# KiCad board STM32MP25XXAJ_DDR4.kicad_pcb
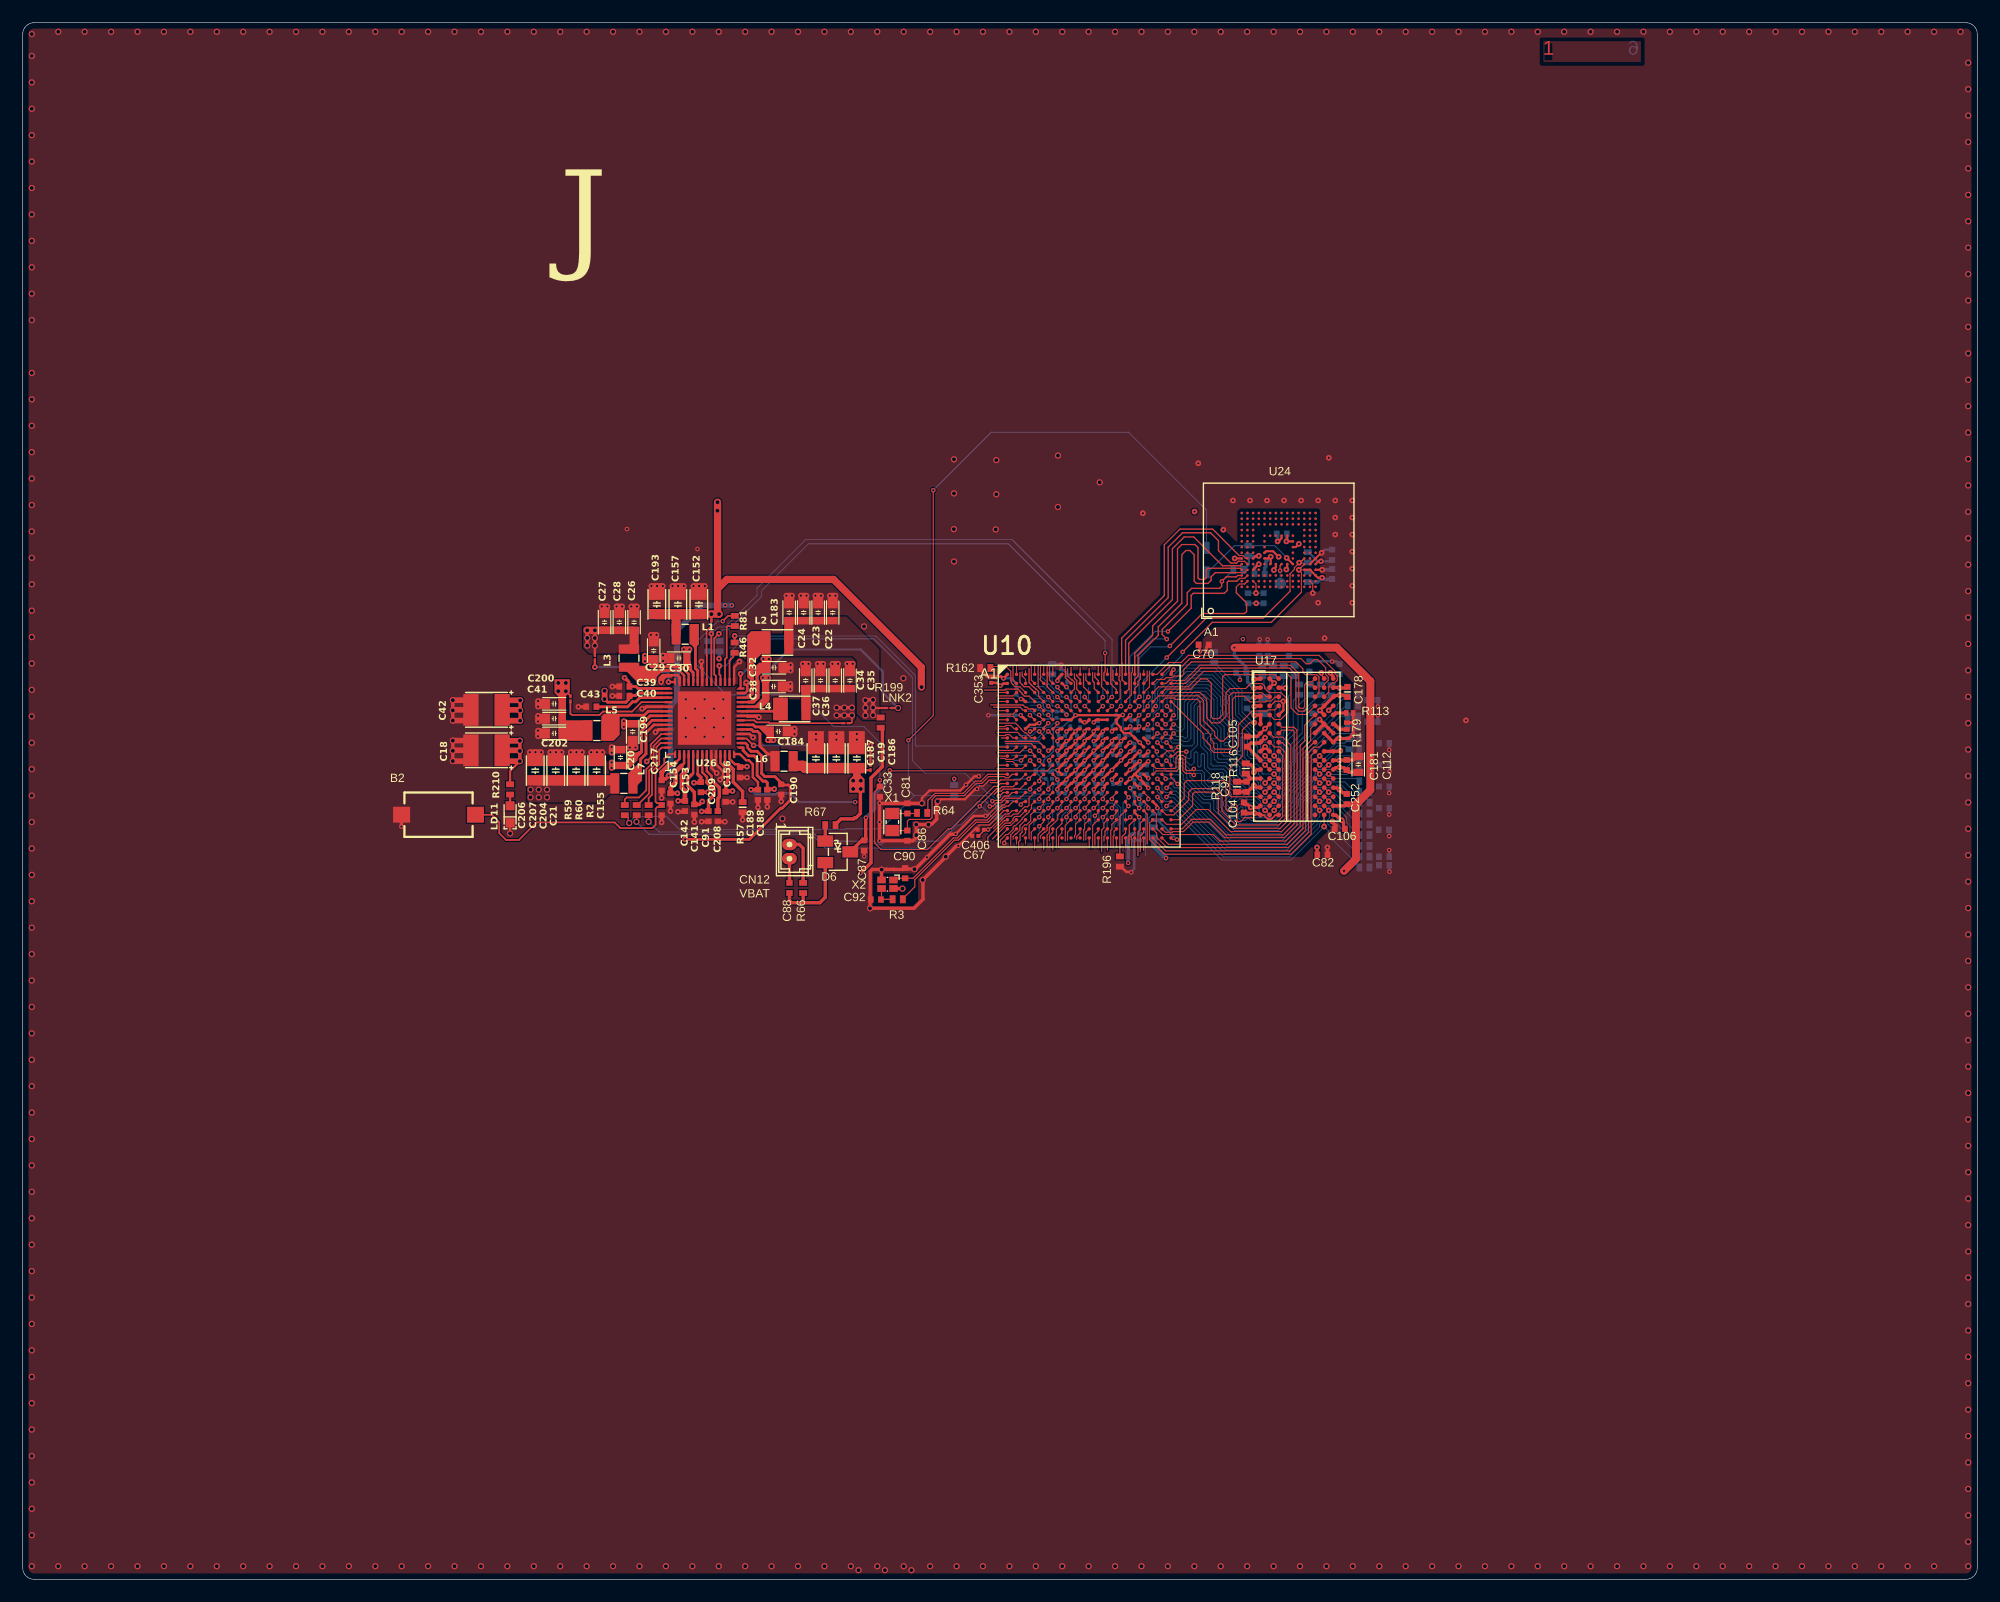
[diagram p0: board, top side]
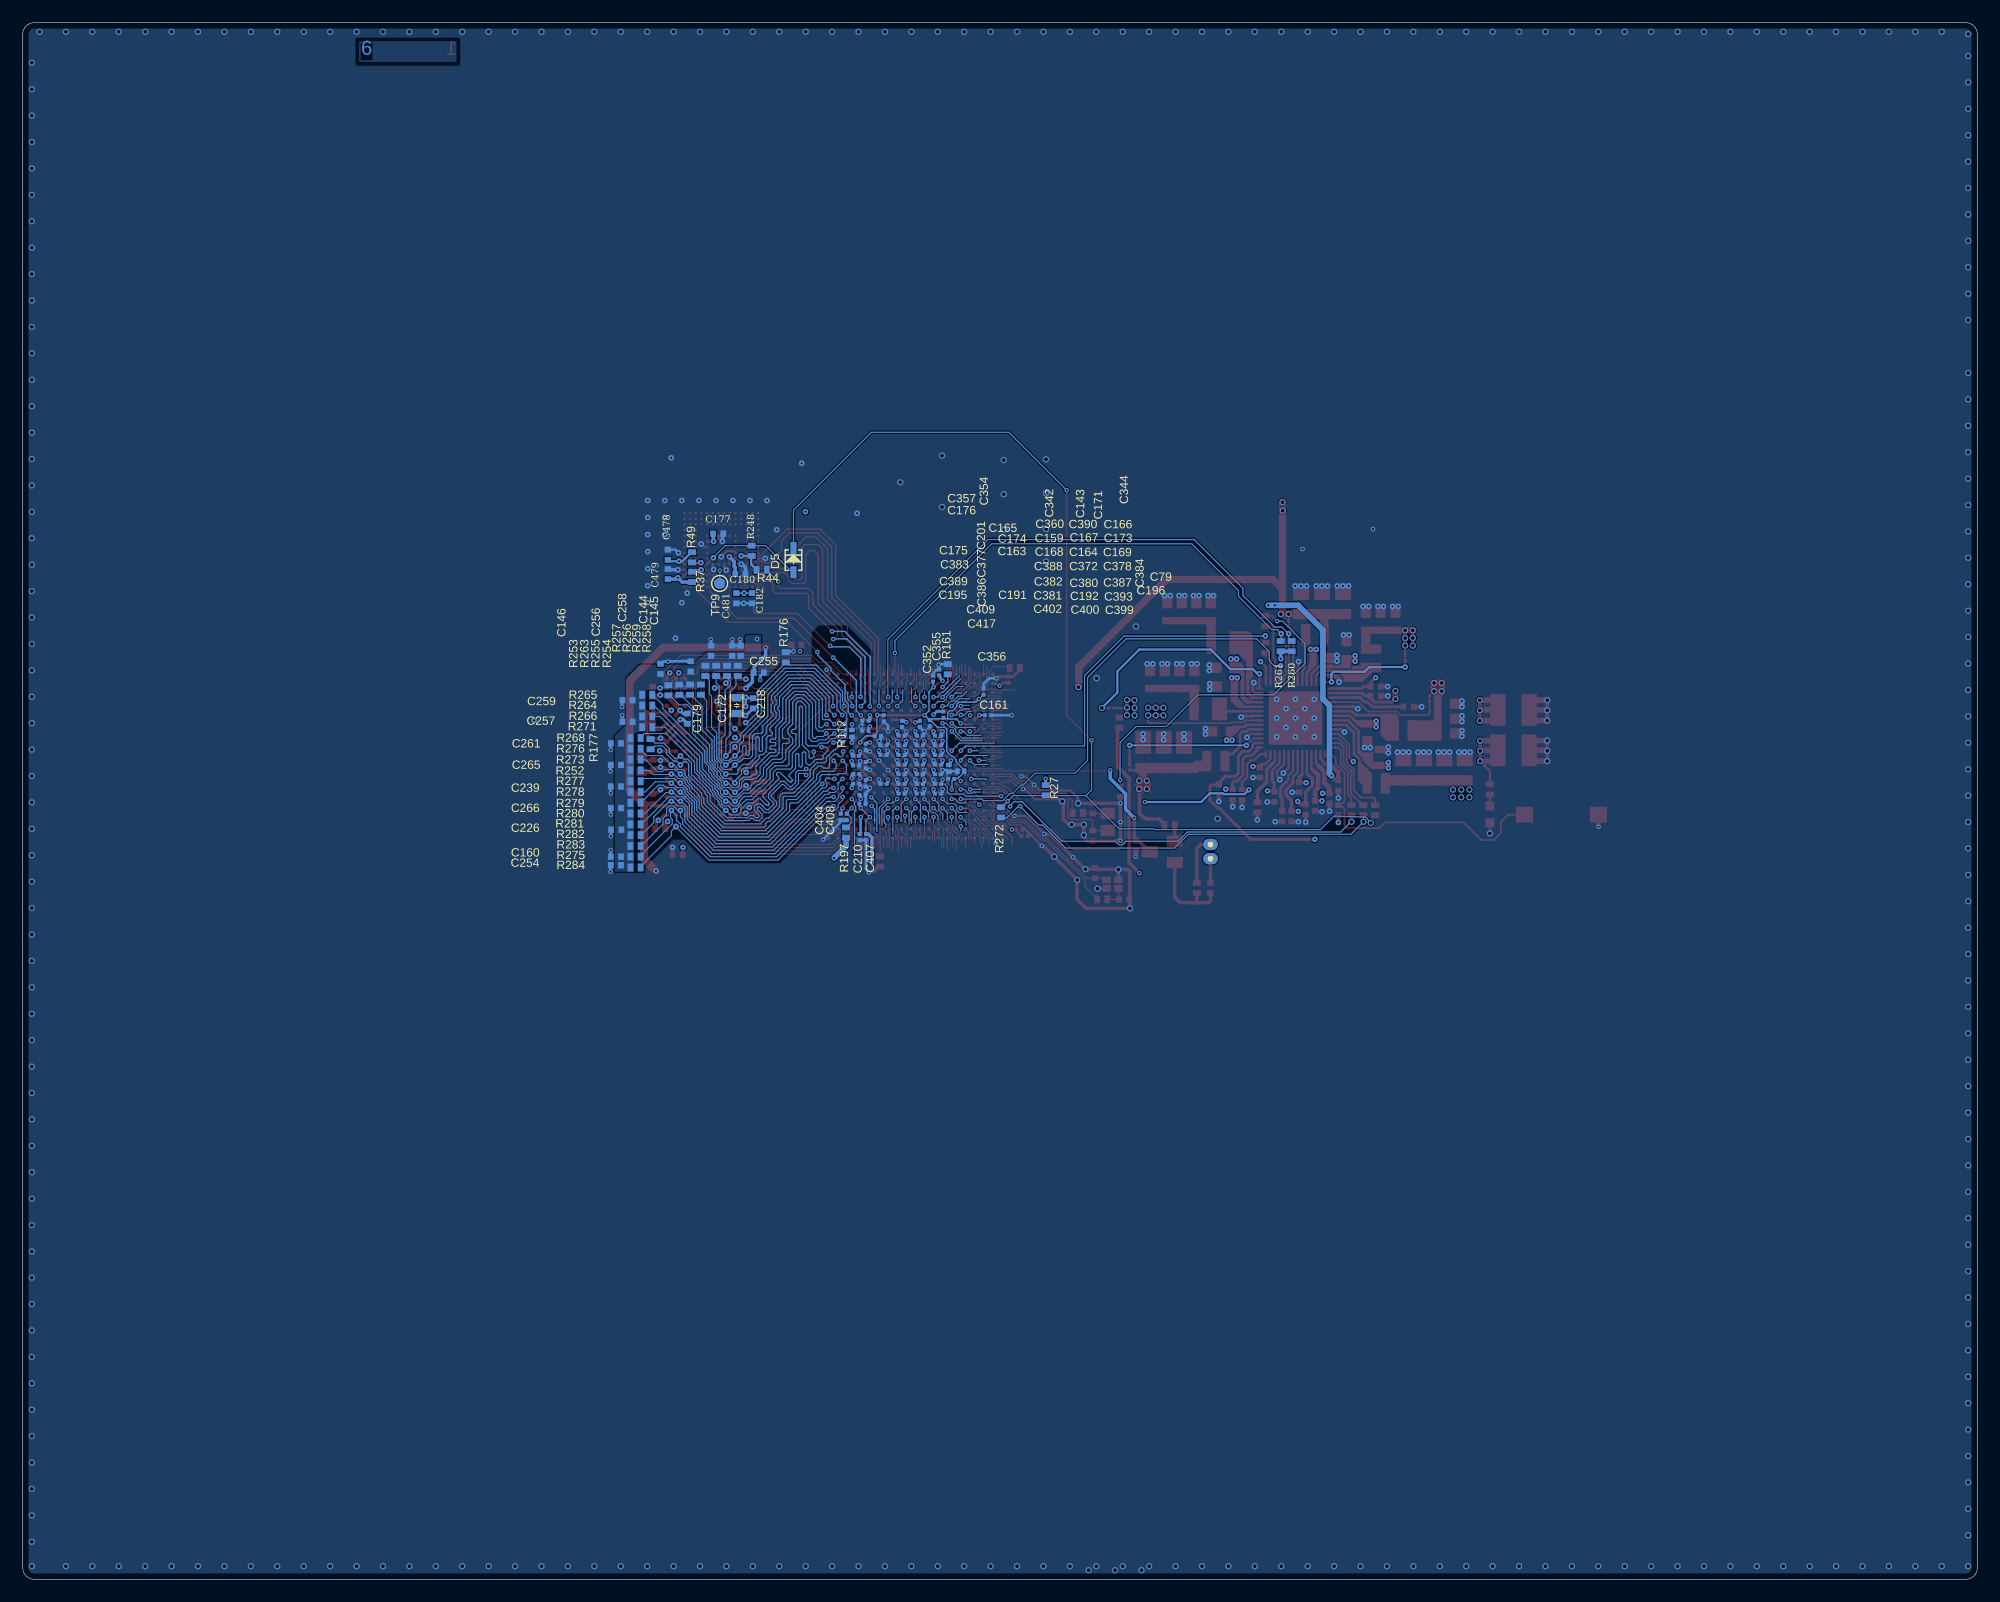
[diagram p1: board, bottom side, seen from below]

Outline 172 x 137 mm; copper layers: Top Layer, Signal Layer 1, Signal Layer 2 2, Bottom Layer. Coordinates in mm from the lower left corner of the outline.
Outline path: 0,136 arc(0.29,136.71) 1,137 171,137 arc(171.71,136.71) 172,136 172,1 arc(171.71,0.29) 171,0 1,0 arc(0.29,0.29) 0,1 0,136

## Placement (name value [footprint] x y rotation side)
B2  SW_PUSH_SMD_2P  [SWI_WE_434121025816]  36.59 67.3 0 top
C18  Cap_POL_TANA  [CPOL_TCJ-B_1210_H210]  40.81 72.96 180 top
C19  Capacitor  [C0805]  71.6 72.25 270 top
C20  Capacitor  [C0603]  52.6 72.33 270 top
C21  Capacitor  [C0805#2]  50.5 71.17 270 top
C22  Capacitor  [C0603]  71.28 85.08 270 top
C23  Capacitor  [C0603]  70 85.08 270 top
C24  Capacitor  [C0603]  68.72 85.08 270 top
C26  Capacitor  [C0603]  53.8 84.23 270 top
C27  Capacitor  [C0603]  51.2 84.23 270 top
C28  Capacitor  [C0603]  52.5 84.23 270 top
C29  Capacitor  [C0603]  55.52 81.73 270 top
C30  Capacitor  [C0603]  57.75 81.08 0 top
C32  Capacitor  [C0603]  66.12 80.23 180 top
C33  Capacitor  [C0402]  75.42 69.33 90 top
C34  Capacitor  [C0603]  71.5 79.1 270 top
C35  Capacitor  [C0603]  72.8 79.1 270 top
C36  Capacitor  [C0603]  70.2 79.1 270 top
C37  Capacitor  [C0603]  68.9 79.1 270 top
C38  Capacitor  [C0603]  66.07 78.58 180 top
C39  Capacitor  [C0402]  52.95 78.58 0 top
C40  Capacitor  [C0402]  52.95 77.75 0 top
C41  Capacitor  [C0603]  46.77 75.75 0 top
C42  Cap_POL_TANA  [CPOL_TCJ-B_1210_H210]  40.81 76.52 180 top
C43  Capacitor  [C0402]  50.04 76.8 0 top
C67  Capacitor  [C0201_MURATA_GRM033_H0P3]  83.82 65.43 0 top
C70  Capacitor  [C0402]  103.92 82.25 180 top
C79  Capacitor  [C0201_H0P5]  89.45 71.13 180 bottom
C81  Capacitor  [C0402]  77.85 67.85 90 top
C82  Capacitor  [C0402]  114.37 63.78 180 top
C86  Capacitor  [C0402]  77.85 65.45 270 top
C87  -  [C0402]  74.05 64.58 90 top
C88  Capacitor  [C0402]  67.47 60.85 270 top
C90  Capacitor  [C0402]  77.65 62.15 270 top
C91  Capacitor  [C0402]  60.35 67.16 270 top
C92  Capacitor  [C0402]  75.07 59.83 180 top
C94  Capacitor  [C0402#2]  107.7 69.75 90 top
C104  Capacitor  [C0402#2]  107.47 67.93 90 top
C105  Capacitor  [C0402]  107.75 73.73 90 top
C106  Capacitor  [C0402]  115.9 66.05 0 top
C112  Capacitor  [C0603]  117.52 71.73 270 top
C141  Capacitor  [C0402]  59.1 67.75 270 top
C142  Capacitor  [C0402]  58.27 68.06 270 top
C143  Capacitor  [C0201_MURATA_GRM033_H0P3]  93.05 75.28 90 bottom
C144  Capacitor  [C0402]  109.57 81.73 270 bottom
C145  Capacitor  [C0402]  108.82 81.73 270 bottom
C146  Capacitor  [C0402]  115.88 80.12 270 bottom
C152  Capacitor  [C0805]  59.5 85.8 270 top
C153  Capacitor  [C0402]  59.68 69.72 90 top
C154  Capacitor  [C0402]  57 68.73 90 top
C155  Capacitor  [C0402]  56.23 67.7 90 top
C156  Capacitor  [C0402]  63.12 71.02 90 top
C157  Capacitor  [C0805]  57.65 85.8 270 top
C159  Capacitor  [C0201_MURATA_GRM033_H0P3]  94.65 73.4 180 bottom
C160  Capacitor  [C0402]  119.8 63.6 180 bottom
C161  Capacitor  [C0201_MURATA_GRM033_H0P3]  87.05 76.05 0 bottom
C163  Capacitor  [C0201_MURATA_GRM033_H0P3]  96.25 72.55 0 bottom
C164  Capacitor  [C0201_MURATA_GRM033_H0P3]  93.05 72.55 180 bottom
C165  Capacitor  [C0201_MURATA_GRM033_H0P3]  96.75 74.23 0 bottom
C166  Capacitor  [C0201_MURATA_GRM033_H0P3]  91.45 74.25 0 bottom
C167  Capacitor  [C0201_MURATA_GRM033_H0P3]  93.05 73.4 180 bottom
C168  Capacitor  [C0201_MURATA_GRM033_H0P3]  94.65 72.55 0 bottom
C169  Capacitor  [C0201_MURATA_GRM033_H0P3]  91.45 72.55 0 bottom
C171  Capacitor  [C0201_MURATA_GRM033_H0P3]  92.18 75.35 90 bottom
C172  Capacitor  [C0603]  109.17 76.9 90 bottom
C173  Capacitor  [C0201_MURATA_GRM033_H0P3]  91.45 73.4 0 bottom
C174  Capacitor  [C0201_MURATA_GRM033_H0P3]  96.25 73.4 0 bottom
C175  Capacitor  [C0201_MURATA_GRM033_H0P3]  98.68 72.48 180 bottom
C176  Capacitor  [C0201_MURATA_GRM033_H0P3]  97.85 74.68 180 bottom
C177  Capacitor  [C0402]  110.8 92.03 0 bottom
C178  Capacitor  [C0402]  116.57 78.1 90 top
C179  Capacitor  [C0402]  113.5 75.75 270 bottom
C180  Capacitor  [C0402]  108.85 88.48 0 bottom
C181  Capacitor  [C0402]  116.51 71.67 270 top
C182  Capacitor  [C0402]  107.82 86.35 90 bottom
C183  Capacitor  [C0603]  67.45 85.08 270 top
C184  Capacitor  [C0603]  66.5 74.62 180 top
C186  Capacitor  [C0805]  73.4 72.25 270 top
C187  Capacitor  [C0805]  69.8 72.25 270 top
C188  Capacitor  [C0402]  65.53 69.04 90 top
C189  Capacitor  [C0402]  64.7 69.04 90 top
C190  Capacitor  [C0402]  66.75 69.52 270 top
C191  Capacitor  [C0201_MURATA_GRM033_H0P3]  96.25 70 0 bottom
C192  Capacitor  [C0201_MURATA_GRM033_H0P3]  93.05 70 180 bottom
C193  Capacitor  [C0805]  55.8 85.8 270 top
C195  Capacitor  [C0201_MURATA_GRM033_H0P3]  98.65 70.03 0 bottom
C196  Capacitor  [C0201_MURATA_GRM033_H0P3]  90.3 70.45 180 bottom
C199  Capacitor  [C0603]  53.68 74.6 90 top
C200  Capacitor  [C0603]  46.77 77.05 0 top
C201  Capacitor  [C0201_MURATA_GRM033_H0P3]  97.82 73.25 90 bottom
C202  Capacitor  [C0603]  46.77 74.45 0 top
C204  Capacitor  [C0805#2]  48.7 71.17 270 top
C206  Capacitor  [C0805#2]  45.1 71.17 270 top
C207  Capacitor  [C0805#2]  46.9 71.17 270 top
C208  Capacitor  [C0402]  61.17 67.16 270 top
C209  Capacitor  [C0402]  61.85 68.87 90 top
C210  Capacitor  [C0201_MURATA_GRM033_H0P3]  98.35 65.33 90 bottom
C217  Capacitor  [C0402]  56.23 69.87 270 top
C218  Capacitor  [C0402]  107.72 77.1 90 bottom
C226  Capacitor  [C0402]  119.78 65.98 180 bottom
C239  Capacitor  [C0402]  119.8 69.78 180 bottom
C252  Capacitor  [C0402]  116.51 68.67 270 top
C254  Capacitor  [C0402]  119.8 62.85 180 bottom
C255  Capacitor  [C0402]  107.22 79.8 0 bottom
C256  Capacitor  [C0402]  113.22 80.35 270 bottom
C257  Capacitor  [C0402]  118.78 75.48 180 bottom
C258  Capacitor  [C0402]  111.42 81.73 270 bottom
C259  Capacitor  [C0402]  118.78 77.38 180 bottom
C261  Capacitor  [C0402]  119.8 73.58 180 bottom
C265  Capacitor  [C0402]  119.8 71.68 180 bottom
C266  Capacitor  [C0402]  119.8 67.88 180 bottom
C342  Capacitor  [C0201_MURATA_GRM033_H0P3]  94.63 75.28 90 bottom
C344  Capacitor  [C0201_MURATA_GRM033_H0P3]  90.97 76.1 270 bottom
C352  Capacitor  [C0201_MURATA_GRM033_H0P3]  91.9 79.28 270 bottom
C353  Capacitor  [C0201_MURATA_GRM033_H0P3]  85.22 79.18 270 top
C354  Capacitor  [C0201_MURATA_GRM033_H0P3]  96.22 75.78 90 bottom
C355  Capacitor  [C0201_MURATA_GRM033_H0P3]  91.35 79.83 270 bottom
C356  Capacitor  [C0201_MURATA_GRM033_H0P3]  87.45 78.12 270 bottom
C357  Capacitor  [C0201_MURATA_GRM033_H0P3]  97.85 75.58 180 bottom
C360  Capacitor  [C0201_MURATA_GRM033_H0P3]  94.65 74.25 180 bottom
C372  Capacitor  [C0201_MURATA_GRM033_H0P3]  93.05 71.7 180 bottom
C377  Capacitor  [C0201_MURATA_GRM033_H0P3]  97.82 71.65 90 bottom
C378  Capacitor  [C0201_MURATA_GRM033_H0P3]  91.45 71.7 180 bottom
C380  Capacitor  [C0201_MURATA_GRM033_H0P3]  93.05 70.85 0 bottom
C381  Capacitor  [C0201_MURATA_GRM033_H0P3]  94.65 70 180 bottom
C382  Capacitor  [C0201_MURATA_GRM033_H0P3]  94.65 70.85 0 bottom
C383  Capacitor  [C0201_MURATA_GRM033_H0P3]  98.65 71.63 0 bottom
C384  Capacitor  [C0201_H0P5]  90.5 71.38 90 bottom
C386  Capacitor  [C0201_MURATA_GRM033_H0P3]  97.83 70.05 90 bottom
C387  Capacitor  [C0201_MURATA_GRM033_H0P3]  91.45 70.85 180 bottom
C388  Capacitor  [C0201_MURATA_GRM033_H0P3]  94.65 71.7 180 bottom
C389  Capacitor  [C0201_MURATA_GRM033_H0P3]  98.65 70.88 0 bottom
C390  Capacitor  [C0201_MURATA_GRM033_H0P3]  93.05 74.25 0 bottom
C393  Capacitor  [C0201_MURATA_GRM033_H0P3]  91.45 70 180 bottom
C399  Capacitor  [C0201_MURATA_GRM033_H0P3]  91.45 69.15 180 bottom
C400  Capacitor  [C0201_MURATA_GRM033_H0P3]  93.05 69.15 0 bottom
C402  Capacitor  [C0201_MURATA_GRM033_H0P3]  94.65 69.15 0 bottom
C404  Capacitor  [C0201_MURATA_GRM033_H0P3]  100.03 67.1 90 bottom
C406  Capacitor  [C0201_MURATA_GRM033_H0P3]  84.3 65.98 0 top
C407  Capacitor  [C0201_MURATA_GRM033_H0P3]  97.8 65.33 90 bottom
C408  Capacitor  [C0201_MURATA_GRM033_H0P3]  99.47 67.1 90 bottom
C409  Capacitor  [C0201_MURATA_GRM033_H0P3]  98.1 69.05 0 bottom
C417  Capacitor  [C0201_MURATA_GRM033_H0P3]  98.1 68.25 0 bottom
C478  Capacitor  [C0402]  115.22 90.18 270 bottom
C479  Capacitor  [C0402]  115.22 88.48 270 bottom
C481  Capacitor  [C0402]  109.2 86.35 90 bottom
CN12  -  [CON_MOLEX_53047-0210]  67.47 64.05 270 top
D5  BAT60JFILM  [DIO_SOD323]  104.17 89.7 90 bottom
D6  DIODE_3P_DUAL_COMMON_CATHODE  [DIO_SOT23]  71.72 64.03 270 top
L1  Inductor  [IND_2016_MURATA_LQM2MPN2R2NG0]  58.29 83.18 180 top
L2  Inductor  [IND_2520_TOKO_DFE252012P]  66.41 82.45 0 top
L3  Inductor  [IND_2016_MURATA_LQM2MPN2R2NG0]  53.35 81.08 90 top
L4  Inductor  [IND_2520_TOKO_DFE252012P]  67.92 76.6 0 top
L5  Inductor  [IND_2016_MURATA_LQM2MPN2R2NG0]  50.52 74.7 180 top
L6  Inductor  [IND_2016_MURATA_LQM2MPN2R2NG0]  67 72 0 top
L7  Inductor  [IND_2016_MURATA_LQM2MPN2R2NG0]  52.9 70.05 180 top
LD11  LED_green  [LED_0603_OSRAM_LG-Q396-PS-35_GREEN_1A2K_H0P4]  42.89 67.33 270 top
LNK1  link_200  [LINK200]  60.6 84.12 0 top
LNK2  link_200  [LINK200]  76.22 76.69 90 top
LNK4  link_200  [LINK200]  50.35 81.12 180 top
LNK7  link_200  [LINK200]  72.45 75.35 270 top
LNK8  link_200  [LINK200]  48.2 77.5 0 top
LNK11  link_200  [LINK200]  74.6 71.44 180 top
R2  -  [R0402]  55.08 67.7 90 top
R3  -  [R0402]  77 59.85 0 top
R27  Resistor  [R0402]  81.97 69.45 90 bottom
R37  Resistor  [R0402]  113.1 88.23 270 bottom
R44  Resistor  [R0402]  106.97 88.85 0 bottom
R46  -  [R0402#2]  62.65 82 270 top
R49  Resistor  [R0402]  113.1 89.95 90 bottom
R57  -  [R0402]  63.35 67.95 90 top
R59  -  [R0402]  52.98 67.7 90 top
R60  -  [R0402]  54.03 67.7 90 top
R64  -  [R0402]  79.15 67.45 180 top
R66  Resistor  [R0402]  68.67 60.84 270 top
R67  Resistor  [R0402]  71.07 66.38 0 top
R81  -  [R0402]  62.66 84.35 270 top
R112  Resistor  [R0201_H0P23]  99.03 74.45 90 bottom
R113  Resistor  [R0201_H0P23]  116.77 76.25 180 top
R116  Resistor  [R0402]  107.62 71.36 270 top
R118  Resistor  [R0402]  106.85 69.75 90 top
R161  Resistor  [R0402]  90.6 80.1 90 bottom
R162  Resistor  [R0402]  84.7 80.2 180 top
R176  Resistor  [R0402]  104.85 81.15 270 bottom
R177  Resistor  [R0402]  116.75 73.5 90 bottom
R179  Resistor  [R0201_H0P23]  116.52 75.1 270 top
R196  Resistor  [R0402]  96.55 63.18 90 top
R197  -  [R0402]  99.55 65.73 90 bottom
R199  -  [R0402]  75.5 75.4 270 top
R210  Resistor  [R0402]  42.89 69.52 270 top
R248  Resistor  [R0402]  107.85 90.53 270 bottom
R252  Resistor  [R0402]  118.07 71.2 0 bottom
R253  Resistor  [R0402]  115.17 78.25 90 bottom
R254  Resistor  [R0402]  112.32 78.3 90 bottom
R255  Resistor  [R0402]  113.28 78.3 90 bottom
R256  Resistor  [R0402]  110.97 79.95 90 bottom
R257  Resistor  [R0402]  111.92 79.95 90 bottom
R258  Resistor  [R0402]  109.07 79.95 90 bottom
R259  Resistor  [R0402]  110.03 79.95 90 bottom
R260  Resistor  [R0402]  60.33 82.13 270 bottom
R261  Resistor  [R0402]  61.3 82.13 270 bottom
R263  Resistor  [R0402]  114.22 78.3 90 bottom
R264  Resistor  [R0402]  117.05 76.9 0 bottom
R265  Resistor  [R0402]  117.05 77.85 0 bottom